# KiCad board MLU_BreakoutV2.kicad_pcb
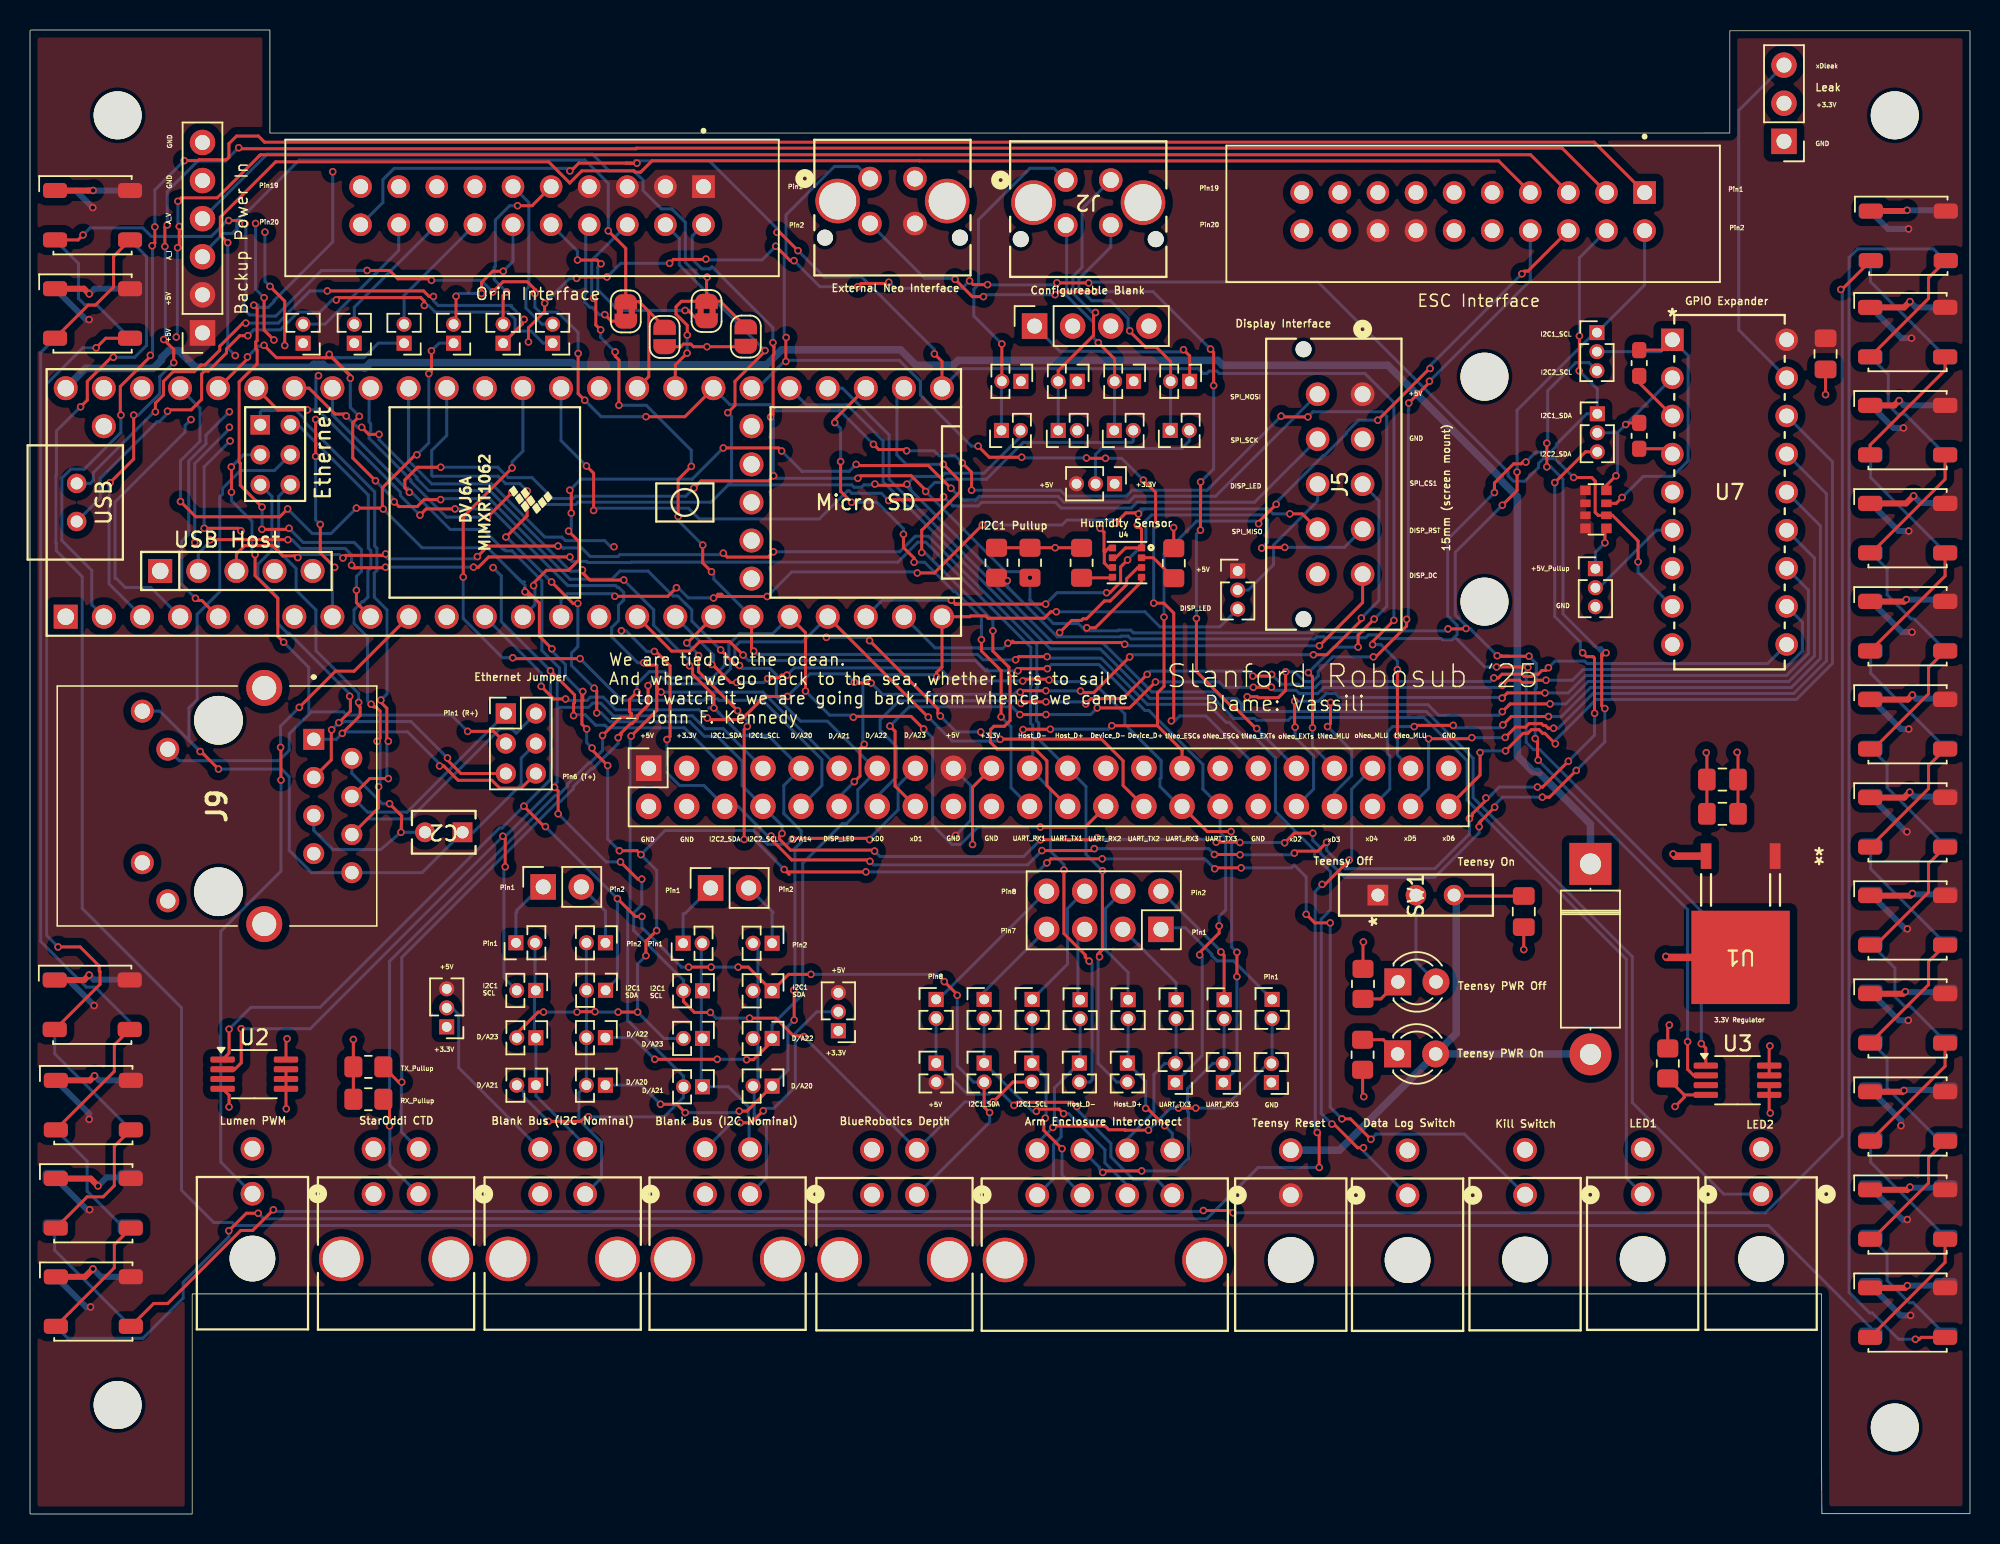
[diagram p0: board, top side]
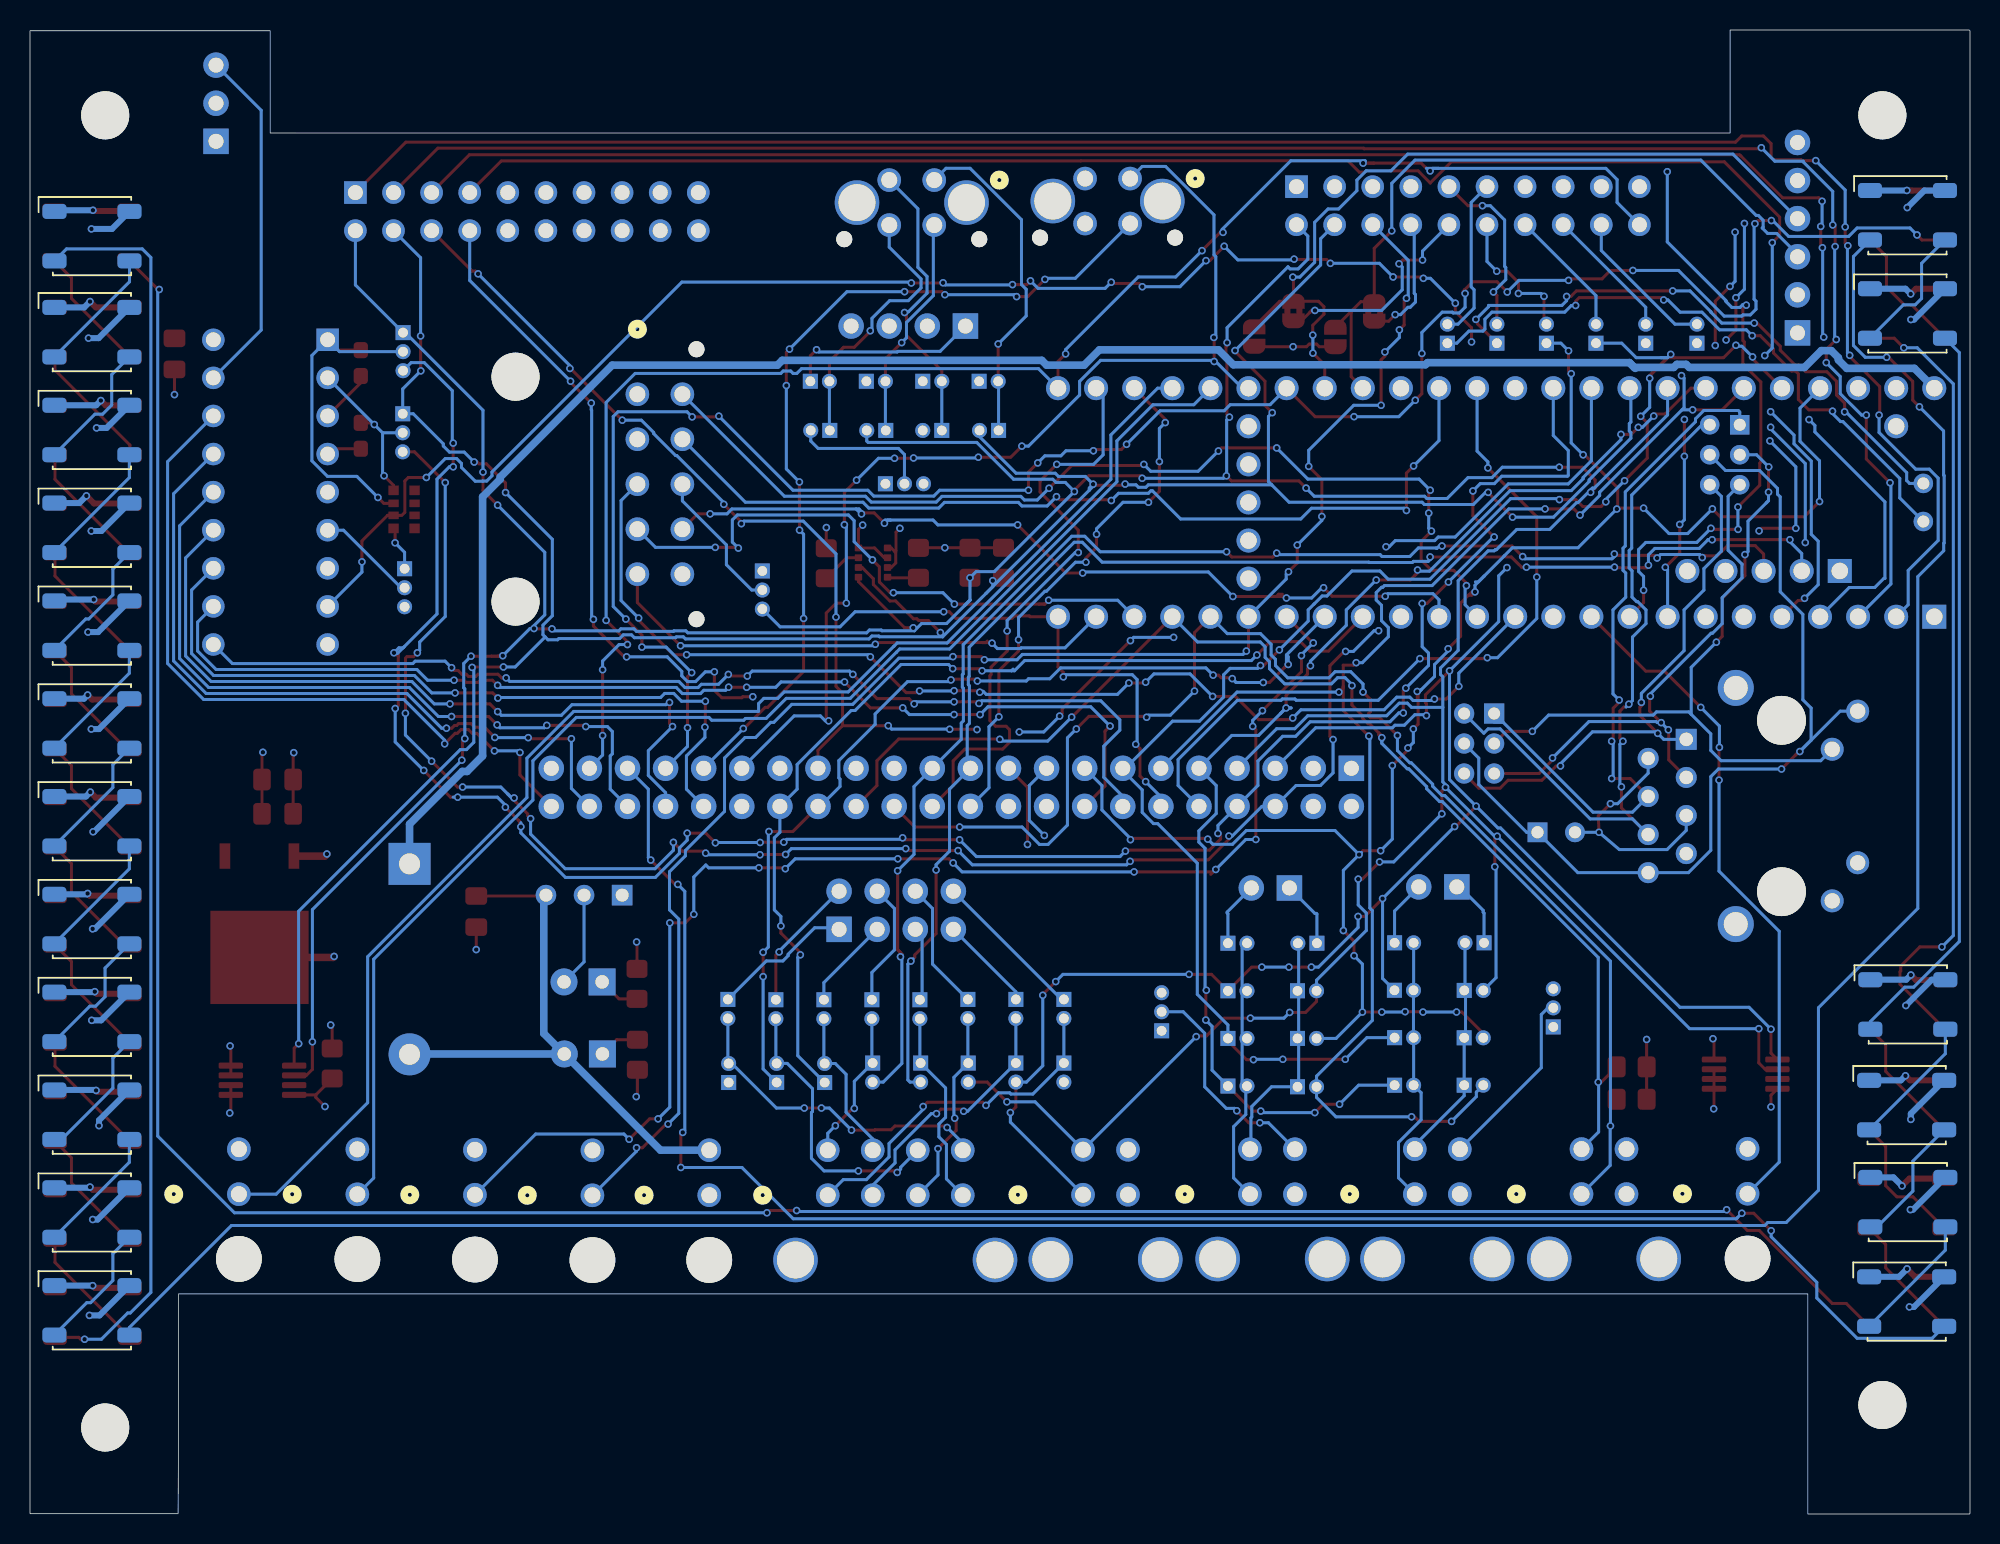
[diagram p1: board, bottom side, seen from below]

Outline 129.34 x 98.96 mm; copper layers: Top, In1.Cu, In2.Cu, Bottom. Coordinates in mm from the lower left corner of the outline.
Outline path: 129.34,98.91 113.32,98.91 113.32,92.09 108.77,92.09 15.99,92.09 15.99,98.96 0.05,98.96 0,98.91 0,0.03 0.03,0 10.81,0 10.81,14.68 119.43,14.68 119.43,6.13 119.46,0.02 129.32,0.02 129.34,0.03 closed
Stack: Top 0.035mm / dielectric 0.1mm FR4 er 4.5 / In1.Cu 0.035mm / dielectric 1.24mm FR4 er 4.5 / In2.Cu 0.035mm / dielectric 0.1mm FR4 er 4.5 / Bottom 0.035mm

## Placement (name value [footprint] x y rotation side)
C1  10uF  [C_0805_2012Metric_Pad1.18x1.45mm_HandSolder]  99.59 40.17 270 top
C2  0.1uF  [K104K15X7RF5TL2_VIS]  28.83 45.46 180 top
C3  10uF  [C_0805_2012Metric_Pad1.18x1.45mm_HandSolder]  119.7 77.36 270 top
C4  135p  [C_0603_1608Metric_Pad1.08x0.95mm_HandSolder]  107.28 76.75 270 top
C5  135p  [C_0603_1608Metric_Pad1.08x0.95mm_HandSolder]  107.28 71.9 270 top
C6  10uF  [C_0805_2012Metric_Pad1.18x1.45mm_HandSolder]  112.83 48.98 0 top
C7  1uF  [C_0805_2012Metric_Pad1.18x1.45mm_HandSolder]  112.83 46.69 0 top
D1  1N5817  [D_5W_P12.70mm_Horizontal]  104.03 43.35 270 top
D2  LED  [LED_D3.0mm]  91.19 35.48 0 top
D3  LED  [LED_D3.0mm]  91.17 30.68 0 top
H1  MountingHole  [MountingHole_3.2mm_M3]  124.32 5.77 0 top
H3  MountingHole  [MountingHole_3.2mm_M3]  5.84 7.27 0 top
H4  MountingHole  [MountingHole_3.2mm_M3]  5.84 93.27 0 top
H8  ~  [MountingHole_3.2mm_M3]  96.97 75.84 0 top
H9  ~  [MountingHole_3.2mm_M3]  96.97 60.84 0 top
H12  MountingHole  [MountingHole_3.2mm_M3]  124.32 93.27 0 top
J2  430450422  [CONN_SD-43045-009_04_MOL]  69.05 88.95 180 top
J3  Conn_01x03_Pin  [PinHeader_1x03_P2.54mm_Vertical]  116.93 91.54 180 top
J4  430450422  [CONN_SD-43045-009_04_MOL]  56 89.05 180 top
J5  430451027  [CONN_SD-43045-010_10_MOL]  88.84 74.67 90 top
J6  430450228  [CONN_SD-43045-001_02_MOL]  84.05 21.26 0 top
J7  SBH11-PBPC-D10-ST-BK  [SULLINS_SBH11-PBPC-D10-ST-BK]  96.21 86.85 180 top
J8  Conn_02x22_Odd_Even  [PinSocket_2x22_P2.54mm_Vertical]  41.24 49.73 90 top
J9  -  [J1B1211CCD]  12.47 47.21 270 top
J10  Conn_02x03_Odd_Even  [PinHeader_2x03_P2.00mm_Vertical]  31.72 53.38 0 top
J11  430450422  [CONN_SD-43045-008_04_MOL]  37.01 21.33 0 top
J12  PixHawk PM02  [PinSocket_1x06_P2.54mm_Vertical]  11.5 78.76 180 top
J13  SBH11-PBPC-D10-ST-BK  [SULLINS_SBH11-PBPC-D10-ST-BK]  33.47 87.24 180 top
J14  Conn_01x02_Socket  [PinSocket_1x02_P2.54mm_Vertical]  34.21 41.82 90 top
J17  430450422  [CONN_SD-43045-008_04_MOL]  59.13 21.29 0 top
J18  430450422  [CONN_SD-43045-008_04_MOL]  25.9 21.33 0 top
J19  430450422  [CONN_SD-43045-008_04_MOL]  48.01 21.32 0 top
J20  430450228  [CONN_SD-43045-001_02_MOL]  14.83 21.35 0 top
J21  430450228  [CONN_SD-43045-001_02_MOL]  99.67 21.29 0 top
J22  430450228  [CONN_SD-43045-001_02_MOL]  107.51 21.32 0 top
J23  430450228  [CONN_SD-43045-001_02_MOL]  115.41 21.33 0 top
J25  430450228  [CONN_SD-43045-001_02_MOL]  91.84 21.25 0 top
J26  430450821  [CONN_SD-43045-008_08_MOL]  76.15 21.26 0 top
J27  ~  [PinSocket_2x04_P2.54mm_Vertical]  75.4 38.99 270 top
J28  Conn_01x04_Socket  [PinSocket_1x04_P2.54mm_Vertical]  66.97 79.22 90 top
J31  Conn_01x02_Socket  [PinSocket_1x02_P2.54mm_Vertical]  45.37 41.75 90 top
JP2  Jumper_3_Bridged12  [PinHeader_1x03_P1.27mm_Vertical]  72.31 68.7 270 top
JP3  Jumper_2_Small_Open  [PinHeader_1x02_P1.27mm_Vertical]  60.41 34.32 0 top
JP4  Jumper_2_Small_Open  [SolderJumper-2_P1.3mm_Open_RoundedPad1.0x1.5mm]  42.31 78.49 270 top
JP5  Jumper_2_Small_Bridged  [SolderJumper-2_P1.3mm_Bridged2Bar_RoundedPad1.0x1.5mm]  39.72 80.19 90 top
JP6  Jumper_2_Small_Bridged  [SolderJumper-2_P1.3mm_Bridged2Bar_RoundedPad1.0x1.5mm]  45.1 80.22 90 top
JP7  Jumper_2_Small_Open  [SolderJumper-2_P1.3mm_Open_RoundedPad1.0x1.5mm]  47.72 78.52 90 top
JP8  Jumper_3_Bridged12  [PinHeader_1x03_P1.27mm_Vertical]  104.46 78.78 0 top
JP9  Jumper_3_Bridged12  [PinHeader_1x03_P1.27mm_Vertical]  104.49 73.37 0 top
JP10  Jumper_3_Bridged12  [PinHeader_1x03_P1.27mm_Vertical]  104.36 63.04 0 top
JP11  Jumper_2_Small_Open  [PinHeader_1x02_P1.27mm_Vertical]  44.83 34.89 270 top
JP12  Jumper_2_Small_Open  [PinHeader_1x02_P1.27mm_Vertical]  43.54 38.06 90 top
JP13  Jumper_2_Small_Open  [PinHeader_1x02_P1.27mm_Vertical]  49.47 38.06 270 top
JP14  Jumper_2_Small_Open  [PinHeader_1x02_P1.27mm_Vertical]  49.47 34.89 270 top
JP15  Jumper_2_Small_Open  [PinHeader_1x02_P1.27mm_Vertical]  49.47 31.71 270 top
JP16  Jumper_2_Small_Open  [PinHeader_1x02_P1.27mm_Vertical]  49.47 28.54 270 top
JP17  Jumper_3_Bridged12  [PinHeader_1x03_P1.27mm_Vertical]  53.89 32.22 180 top
JP18  Jumper_2_Small_Open  [PinHeader_1x02_P1.27mm_Vertical]  38.37 34.92 270 top
JP19  Jumper_2_Small_Open  [PinHeader_1x02_P1.27mm_Vertical]  38.36 28.59 270 top
JP20  Jumper_2_Small_Open  [PinHeader_1x02_P1.27mm_Vertical]  38.36 31.76 270 top
JP21  Jumper_2_Small_Open  [PinHeader_1x02_P1.27mm_Vertical]  38.36 38.09 270 top
JP22  Jumper_2_Small_Open  [PinHeader_1x02_P1.27mm_Vertical]  32.4 38.09 90 top
JP23  Jumper_2_Small_Open  [PinHeader_1x02_P1.27mm_Vertical]  33.72 34.91 270 top
JP24  Jumper_2_Small_Open  [PinHeader_1x02_P1.27mm_Vertical]  33.72 28.59 270 top
JP25  Jumper_2_Small_Open  [PinHeader_1x02_P1.27mm_Vertical]  63.61 34.32 0 top
JP26  Jumper_2_Small_Open  [PinHeader_1x02_P1.27mm_Vertical]  66.81 34.32 0 top
JP27  Jumper_2_Small_Open  [PinHeader_1x02_P1.27mm_Vertical]  70.01 34.3 0 top
JP28  Jumper_2_Small_Open  [PinHeader_1x02_P1.27mm_Vertical]  73.21 34.3 0 top
JP29  Jumper_2_Small_Open  [PinHeader_1x02_P1.27mm_Vertical]  76.41 34.3 0 top
JP30  Jumper_2_Small_Open  [PinHeader_1x02_P1.27mm_Vertical]  79.61 34.3 0 top
JP31  Jumper_2_Small_Open  [PinHeader_1x02_P1.27mm_Vertical]  82.81 34.32 0 top
JP32  Jumper_2_Small_Bridged  [PinHeader_1x02_P1.27mm_Vertical]  79.56 28.78 180 top
JP33  Jumper_2_Small_Bridged  [PinHeader_1x02_P1.27mm_Vertical]  76.36 28.77 180 top
JP34  Jumper_2_Small_Bridged  [PinHeader_1x02_P1.27mm_Vertical]  60.41 30.07 0 top
JP35  Jumper_2_Small_Bridged  [PinHeader_1x02_P1.27mm_Vertical]  63.61 30.07 0 top
JP36  Jumper_2_Small_Bridged  [PinHeader_1x02_P1.27mm_Vertical]  66.79 30.07 0 top
JP37  Jumper_2_Small_Bridged  [PinHeader_1x02_P1.27mm_Vertical]  69.96 30.07 0 top
JP38  Jumper_2_Small_Bridged  [PinHeader_1x02_P1.27mm_Vertical]  82.76 28.77 180 top
JP39  Jumper_2_Small_Bridged  [PinHeader_1x02_P1.27mm_Vertical]  73.16 30.07 0 top
JP40  Jumper_3_Bridged12  [PinHeader_1x03_P1.27mm_Vertical]  80.51 62.88 0 top
JP41  Jumper_2_Small_Open  [PinHeader_1x02_P1.27mm_Vertical]  34.84 78.07 180 top
JP42  Jumper_2_Small_Open  [PinHeader_1x02_P1.27mm_Vertical]  69.82 75.53 270 top
JP43  Jumper_2_Small_Open  [PinHeader_1x02_P1.27mm_Vertical]  73.58 75.53 270 top
JP44  Jumper_2_Small_Open  [PinHeader_1x02_P1.27mm_Vertical]  77.31 75.53 270 top
JP45  Jumper_2_Small_Bridged  [PinHeader_1x02_P1.27mm_Vertical]  64.76 72.26 90 top
JP46  Jumper_2_Small_Bridged  [PinHeader_1x02_P1.27mm_Vertical]  68.55 72.26 90 top
JP47  Jumper_2_Small_Bridged  [PinHeader_1x02_P1.27mm_Vertical]  72.28 72.26 90 top
JP48  Jumper_2_Small_Bridged  [PinHeader_1x02_P1.27mm_Vertical]  76.02 72.26 90 top
JP49  Jumper_2_Small_Open  [PinHeader_1x02_P1.27mm_Vertical]  31.54 78.07 180 top
JP50  Jumper_2_Small_Open  [PinHeader_1x02_P1.27mm_Vertical]  28.24 78.07 180 top
JP51  Jumper_2_Small_Open  [PinHeader_1x02_P1.27mm_Vertical]  24.94 78.07 180 top
JP52  Jumper_2_Small_Open  [PinHeader_1x02_P1.27mm_Vertical]  21.62 78.07 180 top
JP53  Jumper_2_Small_Open  [PinHeader_1x02_P1.27mm_Vertical]  18.2 78.07 180 top
JP57  Jumper_2_Small_Open  [PinHeader_1x02_P1.27mm_Vertical]  33.72 31.75 270 top
JP58  Jumper_3_Bridged12  [PinHeader_1x03_P1.27mm_Vertical]  27.78 32.48 180 top
JP59  Jumper_2_Small_Open  [PinHeader_1x02_P1.27mm_Vertical]  44.83 31.71 270 top
JP60  Jumper_2_Small_Open  [PinHeader_1x02_P1.27mm_Vertical]  44.83 28.49 270 top
JP67  Jumper_2_Small_Open  [PinHeader_1x02_P1.27mm_Vertical]  66.06 75.53 270 top
LED1  1655  [LED_LiteOn_LTST-E563C_PLCC4_5.0x5.0mm_P3.2mm_HandSoldering]  4.17 86.61 0 top
LED2  1655  [LED_LiteOn_LTST-E563C_PLCC4_5.0x5.0mm_P3.2mm_HandSoldering]  4.17 80.06 0 top
LED3  1655  [LED_LiteOn_LTST-E563C_PLCC4_5.0x5.0mm_P3.2mm_HandSoldering]  4.15 33.96 0 top
LED4  1655  [LED_LiteOn_LTST-E563C_PLCC4_5.0x5.0mm_P3.2mm_HandSoldering]  4.22 27.27 0 top
LED5  1655  [LED_LiteOn_LTST-E563C_PLCC4_5.0x5.0mm_P3.2mm_HandSoldering]  4.22 20.72 0 top
LED6  1655  [LED_LiteOn_LTST-E563C_PLCC4_5.0x5.0mm_P3.2mm_HandSoldering]  4.22 14.17 0 top
LED7  1655  [LED_LiteOn_LTST-E563C_PLCC4_5.0x5.0mm_P3.2mm_HandSoldering]  125.23 85.24 0 top
LED8  1655  [LED_LiteOn_LTST-E563C_PLCC4_5.0x5.0mm_P3.2mm_HandSoldering]  125.17 78.81 0 top
LED9  1655  [LED_LiteOn_LTST-E563C_PLCC4_5.0x5.0mm_P3.2mm_HandSoldering]  125.17 72.27 0 top
LED10  1655  [LED_LiteOn_LTST-E563C_PLCC4_5.0x5.0mm_P3.2mm_HandSoldering]  125.17 65.74 0 top
LED11  1655  [LED_LiteOn_LTST-E563C_PLCC4_5.0x5.0mm_P3.2mm_HandSoldering]  125.17 59.2 0 top
LED12  1655  [LED_LiteOn_LTST-E563C_PLCC4_5.0x5.0mm_P3.2mm_HandSoldering]  125.17 52.66 0 top
LED13  1655  [LED_LiteOn_LTST-E563C_PLCC4_5.0x5.0mm_P3.2mm_HandSoldering]  125.17 46.12 0 top
LED14  1655  [LED_LiteOn_LTST-E563C_PLCC4_5.0x5.0mm_P3.2mm_HandSoldering]  125.17 39.58 0 top
LED15  1655  [LED_LiteOn_LTST-E563C_PLCC4_5.0x5.0mm_P3.2mm_HandSoldering]  125.17 33.05 0 top
LED16  1655  [LED_LiteOn_LTST-E563C_PLCC4_5.0x5.0mm_P3.2mm_HandSoldering]  125.17 26.51 0 top
LED17  1655  [LED_LiteOn_LTST-E563C_PLCC4_5.0x5.0mm_P3.2mm_HandSoldering]  125.17 19.97 0 top
LED18  1655  [LED_LiteOn_LTST-E563C_PLCC4_5.0x5.0mm_P3.2mm_HandSoldering]  125.17 13.43 0 top
LED19  1655  [LED_LiteOn_LTST-E563C_PLCC4_5.0x5.0mm_P3.2mm_HandSoldering]  125.2 85.21 180 bottom
LED20  1655  [LED_LiteOn_LTST-E563C_PLCC4_5.0x5.0mm_P3.2mm_HandSoldering]  125.21 78.81 180 bottom
LED21  1655  [LED_LiteOn_LTST-E563C_PLCC4_5.0x5.0mm_P3.2mm_HandSoldering]  125.21 72.29 180 bottom
LED22  1655  [LED_LiteOn_LTST-E563C_PLCC4_5.0x5.0mm_P3.2mm_HandSoldering]  125.21 65.76 180 bottom
LED23  1655  [LED_LiteOn_LTST-E563C_PLCC4_5.0x5.0mm_P3.2mm_HandSoldering]  125.21 59.24 180 bottom
LED24  1655  [LED_LiteOn_LTST-E563C_PLCC4_5.0x5.0mm_P3.2mm_HandSoldering]  125.21 52.72 180 bottom
LED25  1655  [LED_LiteOn_LTST-E563C_PLCC4_5.0x5.0mm_P3.2mm_HandSoldering]  125.21 46.2 180 bottom
LED26  1655  [LED_LiteOn_LTST-E563C_PLCC4_5.0x5.0mm_P3.2mm_HandSoldering]  125.21 39.67 180 bottom
LED27  1655  [LED_LiteOn_LTST-E563C_PLCC4_5.0x5.0mm_P3.2mm_HandSoldering]  125.21 33.15 180 bottom
LED28  1655  [LED_LiteOn_LTST-E563C_PLCC4_5.0x5.0mm_P3.2mm_HandSoldering]  125.21 26.63 180 bottom
LED29  1655  [LED_LiteOn_LTST-E563C_PLCC4_5.0x5.0mm_P3.2mm_HandSoldering]  125.21 20.11 180 bottom
LED30  1655  [LED_LiteOn_LTST-E563C_PLCC4_5.0x5.0mm_P3.2mm_HandSoldering]  125.21 13.58 180 bottom
LED31  1655  [LED_LiteOn_LTST-E563C_PLCC4_5.0x5.0mm_P3.2mm_HandSoldering]  4.17 86.61 180 bottom
LED32  1655  [LED_LiteOn_LTST-E563C_PLCC4_5.0x5.0mm_P3.2mm_HandSoldering]  4.17 80.06 180 bottom
LED33  1655  [LED_LiteOn_LTST-E563C_PLCC4_5.0x5.0mm_P3.2mm_HandSoldering]  4.14 33.98 180 bottom
LED34  1655  [LED_LiteOn_LTST-E563C_PLCC4_5.0x5.0mm_P3.2mm_HandSoldering]  4.22 27.27 180 bottom
LED35  1655  [LED_LiteOn_LTST-E563C_PLCC4_5.0x5.0mm_P3.2mm_HandSoldering]  4.14 20.8 180 bottom
LED36  1655  [LED_LiteOn_LTST-E563C_PLCC4_5.0x5.0mm_P3.2mm_HandSoldering]  4.22 14.17 180 bottom
R1  10k  [R_0805_2012Metric_Pad1.20x1.40mm_HandSolder]  70.11 63.43 270 top
R2  10k  [R_0805_2012Metric_Pad1.20x1.40mm_HandSolder]  76.25 63.4 270 top
R3  10k  [R_0805_2012Metric_Pad1.20x1.40mm_HandSolder]  109.19 30.04 270 top
R4  10k  [R_0805_2012Metric_Pad1.20x1.40mm_HandSolder]  64.43 63.43 270 top
R5  10k  [R_0805_2012Metric_Pad1.20x1.40mm_HandSolder]  66.67 63.43 270 top
R6  140  [R_0805_2012Metric_Pad1.20x1.40mm_HandSolder]  88.87 35.35 90 top
R7  140  [R_0805_2012Metric_Pad1.20x1.40mm_HandSolder]  88.84 30.63 270 top
R8  10k  [R_0805_2012Metric_Pad1.20x1.40mm_HandSolder]  22.56 29.82 180 top
R9  10k  [R_0805_2012Metric_Pad1.20x1.40mm_HandSolder]  22.56 27.66 180 top
RN1  10kΩ  [R_Array_Convex_4x0612]  104.4 66.99 180 top
SW1  09.03201.02  [09.03201_EAO]  89.86 41.27 90 top
U1  BA033CC0FP-E2  [TO252-3_ROM]  114.04 37.12 180 top
U2  MCP9808_MSOP  [MSOP-8_3x3mm_P0.65mm]  14.95 29.33 0 top
U3  MCP9808_MSOP  [MSOP-8_3x3mm_P0.65mm]  113.84 28.93 0 top
U4  -  [BME280]  73.13 63.44 0 top
U6  Teensy4.1  [Teensy41]  31.59 67.45 0 top
U7  MCP23008-E_P  [MCP3008]  109.49 78.3 0 top

## Library data of the parts
C1 C3 C6 C7 = -: Description: Unpolarized capacitor; Supplier 1: https://www.digikey.com/en/products/detail/murata-electronics/GRM21BR61C106KE15K/2546903; Supplier 1 S/N: 490-6473-1-ND; ki_fp_filters: C_*
C2 = -: Description: Unpolarized capacitor; Supplier 1: https://www.digikey.com/en/products/detail/vishay-beyschlag-draloric-bc-components/K104K15X7RF5TL2/286538?s=N4IgTCBcDaIEIGECMAGAHAFgQFQLQDkAREAXQF8g; Supplier 1 S/N: BC1084CT-ND; ki_fp_filters: C_*
C4 C5 = -: Description: Unpolarized capacitor; Supplier 1: https://www.digikey.com/en/products/detail/murata-electronics/GRM1885C1H101JA01D/586921; Supplier 1 S/N: 490-1427-1-ND; ki_fp_filters: C_*
D1 = -: Description: Diode; Sim.Device: D; Sim.Pins: 1=K 2=A; ki_fp_filters: TO-???* *_Diode_* *SingleDiode* D_*
D2 D3 = -: Description: Light emitting diode; ki_fp_filters: LED* LED_SMD:* LED_THT:*
H1 H3 H4 H8 H9 H12 = -: Description: Mounting Hole without connection; ki_fp_filters: MountingHole*
J2 J4 = -: Supplier 1: https://www.digikey.com/en/products/detail/molex/0430450426/3310188; Supplier 1 S/N: WM10681-ND; ki_fp_filters: CONN_SD-43045-008_04_MOL
J3 = -: Description: Generic connector, single row, 01x03, script generated; ki_fp_filters: Connector*:*_1x??_*
J5 = -: Supplier 1: https://www.digikey.com/en/products/detail/molex/0430451012/252506; Supplier 1 S/N: WM1793-ND; ki_fp_filters: CONN_SD-43045-010_10_MOL
J6 J20-J23 J25 = -: Supplier 1: https://www.digikey.com/en/products/detail/molex/0430450201/3310171; Supplier 1 S/N: WM9815-ND; ki_fp_filters: CONN_SD-43045-010_02_MOL
J7 J13 = -: Supplier 1: https://www.digikey.com/en/products/detail/sullins-connector-solutions/SBH11-PBPC-D10-ST-BK/1990065; Supplier 1 S/N: S9172-ND; PARTREV: J; STANDARD: Manufacturer Recommendations; MAXIMUM_PACKAGE_HEIGHT: 9.4mm; MANUFACTURER: Sullins Connector
J8 = -: Description: Generic connector, double row, 02x22, odd/even pin numbering scheme (row 1 odd numbers, row 2 even numbers), script generated (kicad-library-utils/schlib/autogen/connector/); ki_fp_filters: Connector*:*_2x??_*
J9 = -: Datasheet: http://wizwiki.net/wiki/lib/exe/fetch.php?media=products:wiz550web:wiz550webds_kr:j1b1211ccd.pdf; Description: Modules Accessories RJ-45 w/ Transformer Connector /CETUS; Manufacturer_Name: WIZnet Inc; Mouser Part Number: 950-J1B1211CCD; Mouser Price/Stock: https://www.mouser.co.uk/ProductDetail/WIZnet/J1B1211CCD?qs=6pHq9bjOlanFLUlTDcmBeQ%3D%3D; Supplier 1: https://www.digikey.com/en/products/detail/wiznet/J1B1211CCD/7604176; Supplier 1 S/N: 1278-1052-ND
J10 = -: Description: Generic connector, double row, 02x03, odd/even pin numbering scheme (row 1 odd numbers, row 2 even numbers), script generated (kicad-library-utils/schlib/autogen/connector/); Supplier 1: https://www.digikey.com/en/products/detail/metz-connect-usa-inc/PR20C03VBDN/7794765; Supplier 1 S/N: 1849-1000-ND; ki_fp_filters: Connector*:*_2x??_*
J11 J17-J19 = -: Supplier 1: https://www.digikey.com/en/products/detail/molex/0430450422/1635030; Supplier 1 S/N: WM2679-ND; ki_fp_filters: CONN_SD-43045-008_04_MOL
J12 = -: Datasheet: https://www.flyingtech.co.uk/wp-content/uploads/2020/01/Holybro_PM02_v3_PowerModule_Manual.pdf; ki_fp_filters: Connector*:*_1x??_*
J14 J31 = -: Description: Generic connector, single row, 01x02, script generated; ki_fp_filters: Connector*:*_1x??_*
J26 = -: Supplier 1: https://www.digikey.com/en/products/detail/molex/0430450821/1635026; Supplier 1 S/N: WM2675-ND; ki_fp_filters: CONN_SD-43045-008_08_MOL
J27 = -: Description: Generic connector, single row, 01x08, script generated; ki_fp_filters: Connector*:*_1x??_*
J28 = -: Description: Generic connector, single row, 01x04, script generated; ki_fp_filters: Connector*:*_1x??_*
JP2 JP8-JP10 JP17 JP40 JP58 = -: Description: Jumper, 3-pole, pins 1+2 closed/bridged; ki_fp_filters: Jumper* TestPoint*3Pads* TestPoint*Bridge*
JP3 JP11-JP16 JP18-JP31 JP41-JP44 JP49-JP53 JP57 JP59 JP60 JP67 = -: Description: Jumper, 2-pole, small symbol, open; Supplier 1: https://www.digikey.com/en/products/detail/adam-tech/HMSC-G/9830451; Supplier 1 S/N: 2057-HMSC-G-ND; ki_fp_filters: Jumper* TestPoint*2Pads* TestPoint*Bridge*
JP4 JP7 = -: Description: Jumper, 2-pole, small symbol, open; ki_fp_filters: Jumper* TestPoint*2Pads* TestPoint*Bridge*
JP5 JP6 = -: Description: Jumper, 2-pole, small symbol, bridged; ki_fp_filters: Jumper* TestPoint*2Pads* TestPoint*Bridge*
JP32-JP39 JP45-JP48 = -: Description: Jumper, 2-pole, small symbol, bridged; Supplier 1: https://www.digikey.com/en/products/detail/adam-tech/HMSC-G/9830451; Supplier 1 S/N: 2057-HMSC-G-ND; ki_fp_filters: Jumper* TestPoint*2Pads* TestPoint*Bridge*
LED1-LED36 = -: ki_fp_filters: LED_1655_ADA
R1-R5 R8 R9 = -: Description: Resistor, US symbol; Supplier 1: https://www.digikey.com/en/products/detail/panasonic-electronic-components/ERJ-6GEYJ103V/83062; Supplier 1 S/N: P10KACT-ND; ki_fp_filters: R_*
R6 R7 = -: Description: Resistor, US symbol; ki_fp_filters: R_*
RN1 = -: Description: 10k Ohm ±5% 62.5mW Power Per Element Isolated 4 Resistor Network/Array ±200ppm/°C 1206 (3216 Metric), Convex, Long Side Terminals; Vendor: DigiKey; Vendor P/N: CAY16-103J4LFCT-ND; Mfr: Bourns Inc.; Mfr P/N: CAY16-103J4LF; Supplier 1: https://www.digikey.com/en/products/detail/bourns-inc/CAY16-103J4LF/431579; Supplier 1 S/N: CAY16-103J4LFCT-ND; ki_fp_filters: DIP* SOIC* R*Array*Concave* R*Array*Convex*
SW1 = -: Datasheet: https://mm.digikey.com/Volume0/opasdata/d220001/medias/docus/496/series1k2_201004.pdf; Supplier 1: https://www.digikey.com/en/products/detail/eao/09-03201-02/8733105; Supplier 1 S/N: 1948-1086-ND; ki_fp_filters: 09.03201_EAO
U1 = -: Supplier 1: https://www.digikey.com/en/products/detail/rohm-semiconductor/BA033CC0FP-E2/722186; Supplier 1 S/N: BA033CC0FP-E2CT-ND; ki_fp_filters: TO252-3_ROM TO252-3_ROM-M TO252-3_ROM-L
U2 U3 = -: Datasheet: http://ww1.microchip.com/downloads/en/DeviceDoc/22203b.pdf; Description: +/-0.25C (+/-0.5C) Typical (Maximum), Digital Temperature Sensor, MSOP-8; Supplier 1: https://www.digikey.com/en/products/detail/microchip-technology/MCP9808T-E-MS/2803667; Supplier 1 S/N: MCP9808T-E/MSCT-ND; ki_fp_filters: MSOP*3x3mm*P0.65mm*
U4 = -: Datasheet: https://www.bosch-sensortec.com/media/boschsensortec/downloads/datasheets/bst-bme280-ds002.pdf; Description: 3-in-1 sensor, humidity, pressure, temperature, I2C and SPI interface, 1.71-3.6V, LGA-8; Supplier 1: https://www.digikey.com/en/products/detail/bosch-sensortec/BME280/6136306; Supplier 1 S/N: 828-1063-1-ND; ki_fp_filters: *LGA*2.5x2.5mm*P0.65mm*Clockwise*
U7 = -: Datasheet: https://ww1.microchip.com/downloads/en/DeviceDoc/MCP23008-MCP23S08-Data-Sheet-20001919F.pdf; MPN: MCP23008-E/P; SUPPLIER: Microchip; OC_NEWARK: 08J8737; OC_FARNELL: 1439387; PACKAGE: 18DIP; Supplier 1: https://www.digikey.com/en/products/detail/microchip-technology/MCP23008-E-P/735951?gclsrc=aw.ds&&utm_adgroup=&utm_source=google&utm_medium=cpc&utm_campaign=PMax%20Supplier_Focus%20Supplier&utm_term=&utm_content=&utm_id=go_cmp-20243063242_adg-_ad-__dev-c_ext-_prd-735951_sig-CjwKCAiA5Ka9BhB5EiwA1ZVtvESuOTDoldZRu_MK81sSYvYK_OP2BpEv8juOinewNN0qMlJE0ReFFhoCIFEQAvD_BwE&gad_source=1&gclid=CjwKCAiA5Ka9BhB5EiwA1ZVtvESuOTDoldZRu_MK81sSYvYK_OP2BpEv8juOinewNN0qMlJE0ReFFhoCIFEQAvD_BwE&gclsrc=aw.ds; Supplier 1 S/N: MCP23008-E/P-ND